# Altium PCB carrier_bak.PcbDoc (part 4 of 5)
Units mil, origin at the board's own origin, x right, y up, seen from the top; angles counter-clockwise.
Board outline 5511.81 x 3425.2 mil, 4 copper layers (Component Side, Power_layer1, Power_layer2, Solder Side), stack 65.912 mil thick; 375 components, 412 nets, 1874 pads, 645 vias.
Unrouted connection lines stored in the file: 33.
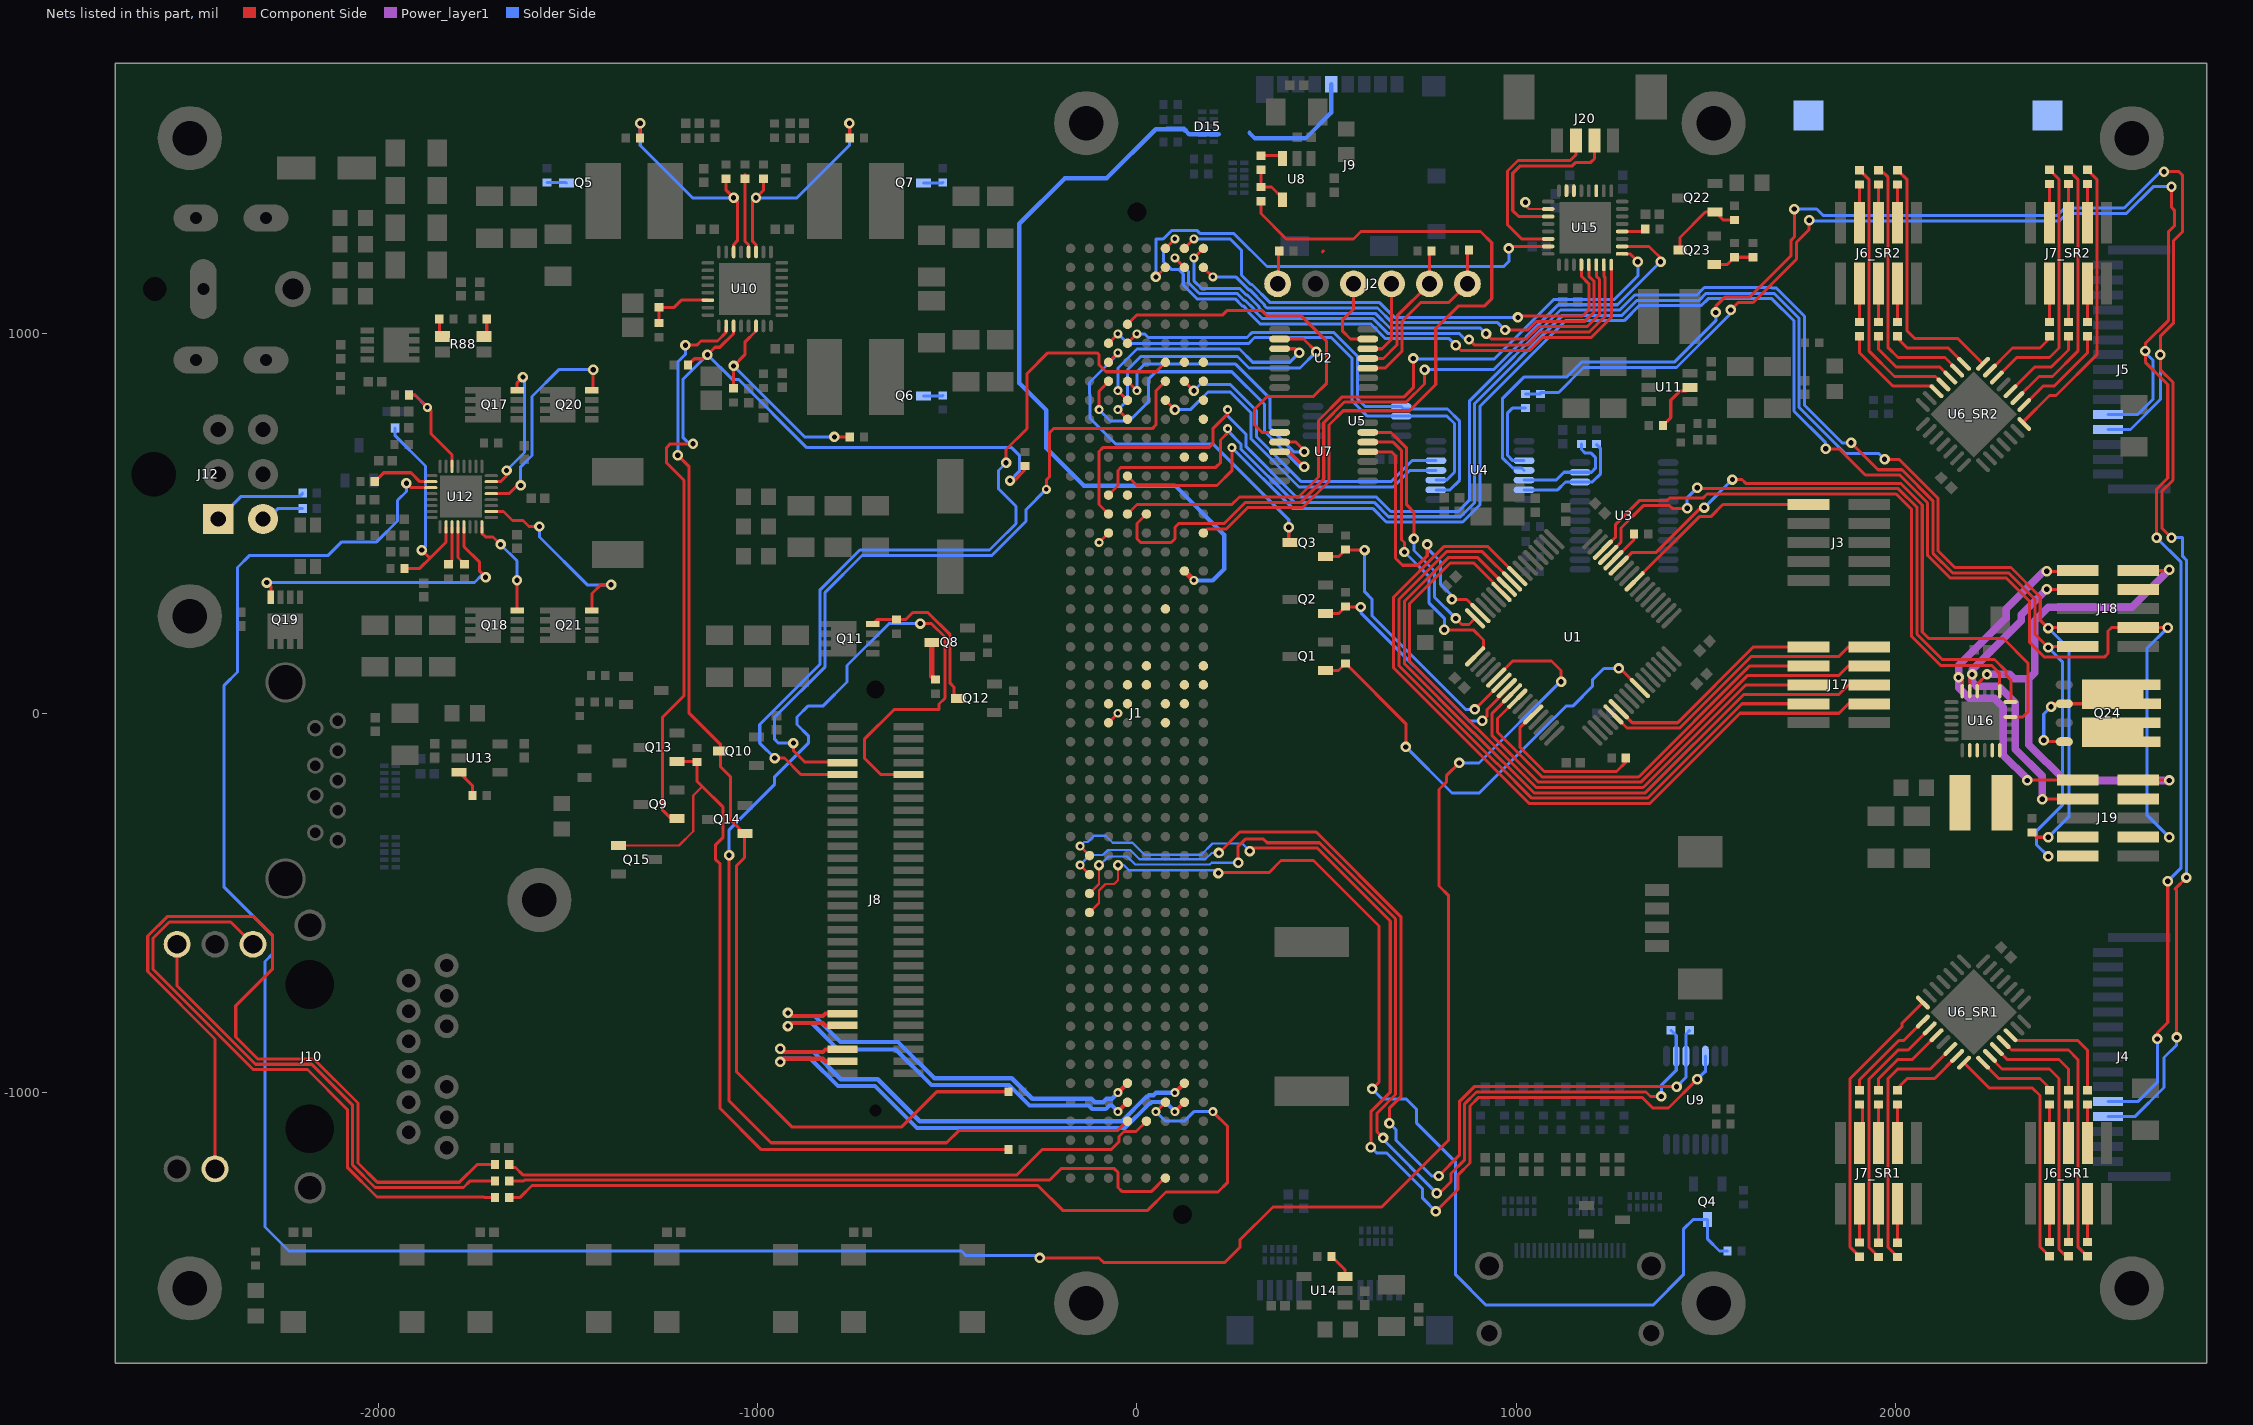
[diagram p6: the nets of this part, all layers, seen from the top]

## Via types
v1: diameter 27.56, hole 13.78, Component Side to Solder Side, 368 vias
v2: diameter 23.62, hole 11.81, Component Side to Solder Side, tented top, 99 vias
v3: diameter 27.56, hole 15.75, Component Side to Solder Side, 59 vias
v4: diameter 19.68, hole 7.87, Component Side to Solder Side, 54 vias
v5: diameter 27.56, hole 13.78, Component Side to Solder Side, tented top, 45 vias
v6: diameter 23.62, hole 11.81, Component Side to Solder Side, 10 vias
v7: diameter 19.68, hole 10, Component Side to Solder Side, 8 vias
v8: diameter 50, hole 28, Component Side to Solder Side, 2 vias

## Nets (pads, with @x,y where several pads share a name; then routed paths per layer and width w, separated by ;. In a path a pad name is that pad's centre, name@x,y a point inside that pad or via, vN(x,y) a via of type N, cw(c..) or ccw(c..) an arc to the next point about the centre after c; other vN are vias at no path point) (continued)
NetJ1_B33: J1.B33 U9.5 | length 2898.5
  Component Side w8: v2(-150,-350) J1.B33@-125,-375 ; v1(297.24,-363.19) 305.12,-355.32 475.11,-355.32 667.54,-547.74 667.54,-998.83 616.22,-1050.15 v1(616.22,-1143.62) ; v1(787.4,-1312.99) 846.46,-1253.94 846.46,-1216.54 877.54,-1185.45 877.54,-1035.09 900.38,-1012.25 1331.15,-1012.25 1359.25,-1040.35 1400.59,-1040.35 v1(1476.38,-964.57)
  Solder Side w6: v2(-150,-350) -139.22,-339.22 -129.57,-339.22 -113.39,-323.04 -82.47,-323.04 -63.98,-341.54 -11.49,-341.54 19.75,-372.78 169.54,-372.78 198.82,-343.5 277.56,-343.5 v1(297.24,-363.19)
  Solder Side w8: v1(616.22,-1143.62) 631.06,-1158.46 657.48,-1158.46 752.8,-1253.78 752.8,-1278.39 v1(787.4,-1312.99) ; v1(1476.38,-964.57) 1496.06,-944.88 1498.03,-944.88 U9.5@1498.03,-903.54
NetJ1_B34: J1.B34 R33.1 U9.3 | length 2760.9
  Component Side w8: v2(-150,-400) J1.B34@-125,-425 ; v1(216.04,-368.11) 271.16,-312.99 472.39,-312.99 695.54,-536.15 695.54,-1010.43 664.99,-1040.98 664.99,-1080.35 v1(665.35,-1080.71) ; v1(795.28,-1219.49) 849.54,-1165.22 849.54,-1023.49 888.78,-984.25 v1(1422.24,-984.25)
  Solder Side w6: v2(-150,-400) -123.78,-373.78 -90.15,-373.78 -76.61,-360.24 -17.72,-360.24 6.83,-384.78 180.18,-384.78 196.85,-368.11 v1(216.04,-368.11)
  Solder Side w8: v1(665.35,-1080.71) 683.07,-1098.43 683.07,-1125.98 776.57,-1219.49 v1(795.28,-1219.49) ; v1(1422.24,-984.25) 1446.85,-959.65 U9.3@1446.85,-903.54 1446.85,-845.47 R33.1@1456.69,-835.63
NetJ1_B35: J1.B35 R32.1 U9.2 | length 2835.8
  Component Side w6: J1.B35@-125,-475 -100,-450 v1(-100,-400)
  Component Side w8: v1(266.73,-393.7) 266.73,-350.39 285.43,-331.69 333.66,-331.69 343.28,-341.32 480.91,-341.32 681.54,-541.95 681.54,-1004.63 632.87,-1053.3 632.87,-1103.35 v1(648.62,-1119.09) ; v1(790.35,-1264.76) 797.24,-1264.76 827.54,-1234.47 827.54,-1212.71 863.54,-1176.7 863.54,-1029.29 894.58,-998.25 1341.54,-998.25 1353.13,-1009.84 v1(1381.89,-1009.84)
  Solder Side w6: v1(-100,-400) -97.99,-400 -75.21,-377.22 -26.32,-377.22 -4.76,-398.78 191.77,-398.78 196.85,-393.7 v1(266.73,-393.7)
  Solder Side w8: v1(648.62,-1119.09) 648.62,-1123.03 v1(790.35,-1264.76) ; v1(1381.89,-1009.84) 1381.89,-980.31 1421.26,-940.94 U9.2@1421.26,-903.54 1421.26,-849.41 R32.1@1407.48,-835.63
NetJ1_B36: J1.B36 Q4.D R28.1 | length 2983.2
  Component Side w6: J1.B36@-125,-525 -100,-500 -100,-466.97 -83.03,-450 -60,-450 -50,-440 v1(-50,-400)
  Component Side w8: v1(214.57,-421.26) 215.83,-420 347.72,-420 379.72,-388 465.11,-388 637.8,-560.68 637.8,-972.2 v1(620,-990)
  Solder Side w6: v1(-50,-400) -34.76,-400 -21.37,-413.39 206.69,-413.39 v1(214.57,-421.26)
  Solder Side w8: v1(620,-990) 646.73,-1016.73 709.65,-1016.73 737.2,-1044.29 737.2,-1080.28 840,-1183.07 840,-1480 920,-1560 1360,-1560 1440,-1480 1440,-1360 1465.35,-1334.65 Q4.D@1503.94,-1334.65 1503.94,-1385.83 1535.43,-1417.32 R28.1@1556.1,-1417.32
NetJ1_C6: J1.C6 U4.3 U5.6 | length 1283.9
  Component Side w8: J1.C6@-75,975 v2(-50,1000)
  Solder Side w8: v2(-50,1000) -25,975 295,975 310,990 512.13,990 567.09,935.05 567.09,915.35 566.71,914.97 566.71,823.29 607.2,782.8 U5.6@696.14,782.8 817.2,782.8 836.61,763.39 836.61,635.37 815.65,614.41 U4.3@787.86,614.41
NetJ1_C7: J1.C7 Q3.D | length 935.2
  Component Side w8: J1.C7@-75,925 v2(-50,950) ; v1(400,490) 400,452.76 Q3.D@402.76,450
  Solder Side w8: v2(-50,950) -50,946.57 -125,871.57 -125,841.37 -123.78,840.15 -123.78,777.44 -56.34,710 200,710 400,510 v1(400,490)
NetJ1_C8: J1.C8 U7.4 | length 954.4
  Component Side w8: v2(-100,800) -100,848.38 -75,873.38 J1.C8@-75,875 ; U7.4@375.98,688.98 401.57,688.98 v1(440.94,649.61)
  Solder Side w8: v2(-100,800) -70,770 -20,770 30,820 30,880 50,900 250,900 336,814 336,742.74 429.13,649.61 v1(440.94,649.61)
NetJ1_C16: J1.C16 | length 35.4
  Component Side w8: v2(-100,450) J1.C16@-75,475
NetJ1_C25: J1.C25
NetJ1_C26: J1.C26 | length 35.4
  Component Side w8: J1.C26@-75,-25 v2(-50,0)
NetJ1_D5: J1.D5 U7.2 | length 1018.3
  Component Side w8: J1.D5@-25,1025 0,1050 226.37,1050 238.18,1061.81 327.95,1061.81 342.52,1047.24 433.07,1047.24 500,980.32 500,870 464.65,834.65 343.23,834.65 310,801.42 310,760 329.84,740.16 U7.2@375.98,740.16
NetJ1_D6: J1.D6 U4.2 U5.5 | length 1287.2
  Component Side w8: J1.D6@-25,975 v2(0,1000)
  Solder Side w8: v2(0,1000) 20,1000 30,990 290.2,990 304.2,1004 517.93,1004 581.09,940.85 581.09,909.55 580.71,909.17 580.71,829.29 601.61,808.39 U5.5@696.14,808.39 702.87,801.65 818.15,801.65 850.61,769.18 850.61,614.39 825.04,588.82 U4.2@787.86,588.82
NetJ1_D8: J1.D8 U7.3 | length 759.2
  Component Side w8: J1.D8@-25,875 v2(0,850) ; U7.3@375.98,714.57 419.29,714.57 444.88,688.98 v1(440.94,688.98)
  Solder Side w8: v2(0,850) 0,900 20,920 260,920 350,830 350,752.36 413.39,688.98 v1(440.94,688.98)
NetJ1_D9: J1.D9 U2.3 | length 675.2
  Component Side w8: v2(-50,850) J1.D9@-25,825 ; U2.3@375.98,960.63 417.32,960.63 v1(427.95,950)
  Solder Side w8: v2(-50,850) -50,910 0,960 270,960 305,925 402.95,925 v1(427.95,950)
NetJ1_D10: J1.D10 U2.2 | length 803.1
  Component Side w8: v2(-50,800) J1.D10@-25,775 ; U2.2@375.98,986.22 438.78,986.22 v1(472.44,952.56)
  Solder Side w8: v2(-50,800) -25,825 -25,905 10,940 265.2,940 295.2,910 429.88,910 v1(472.44,952.56)
NetJ1_D14: J1.D14
NetJ1_D15: J1.D15 U15.9 | length 1825.7
  Component Side w8: J1.D15@-25,525 0,550 250,550 270,570 425.6,570 478.22,622.62 478.22,771.45 540.77,834 704.2,834 728.35,858.15 v1(728.35,935.04) ; U15.9@1278.54,1210.63 1299.37,1210.63 v1(1320,1190)
  Solder Side w8: v1(728.35,935.04) 729.61,933.78 941.65,933.78 1098.43,1090.55 1258.1,1090.55 1320,1152.45 v1(1320,1190)
NetJ1_D24: J1.D24
NetJ1_D25: J1.D25
NetJ1_D47: J1.D47 J8.10 | length 3371.2
  Component Side w8: v1(-1074.8,-374.02) -1074.8,-1021.65 -964.57,-1131.89 -501.89,-1131.89 -470,-1100 -51.62,-1100 -26.62,-1075 J1.D47@-25,-1075 ; J8.10@-602.36,-161.42 -675.2,-161.42 -718.5,-118.11 -718.5,-68.9 -639.76,9.84 -521.65,9.84 -521.65,24.24 -506.13,39.77 -506.13,200.89 -541.45,236.22 v1(-570.87,236.22)
  Solder Side w8: v1(-1074.8,-374.02) -1074.8,-307.09 -954.72,-187.01 -954.72,-167.32 -866.14,-78.74 -866.14,-59.06 -895.67,-29.53 -895.67,-9.84 -866.14,19.68 -826.77,19.68 -764,82.46 -764,125.8 -653.58,236.22 v1(-570.87,236.22)
NetJ1_E15: J1.E15 U15.10 | length 2031
  Component Side w8: J1.E15@25,525 0,500 0,460 10,450 90,450 100,460 100,490 110,500 230,500 286,556 431.4,556 492.22,616.82 492.22,765.65 546.57,820 710,820 757.87,867.87 v1(757.87,905.51) ; U15.10@1278.54,1230.32 1349.68,1230.32 1390,1190 v1(1380,1190)
  Solder Side w8: v1(757.87,905.51) 939.45,905.51 1110.49,1076.55 1266.55,1076.55 v1(1380,1190)
NetJ1_E23: J1.E23
NetJ1_E24: J1.E24
NetJ1_E47: J1.E47 R27.2 | length 1757.4
  Component Side w8: R27.2@-1654.53,-1188.98 -1646.65,-1196.85 -1637.8,-1196.85 -1618.33,-1216.31 -316.32,-1216.31 -250,-1150 -68.18,-1150 -47.5,-1129.32 -47.5,-1115.68 -34.32,-1102.5 -2.5,-1102.5 J1.E47@25,-1075
NetJ1_F1: J1.F1 U15.8 | length 1579
  Component Side w8: J1.F1@75,1225 v2(100,1250) ; v1(840,970) 854,956 1035.4,956 1070.11,990.71 1197.86,990.71 1250,1042.85 U15.8@1250,1182.09
  Solder Side w8: v2(100,1250) 70,1220 70,1190 90,1170 110.2,1170 122,1158.2 122,1128.4 158.4,1092 258.8,1092 277.02,1073.78 279.85,1073.78 293.78,1059.85 293.78,1057.02 324.91,1025.89 616.57,1025.89 655.15,987.31 822.69,987.31 v1(840,970)
NetJ1_F2: J1.F2 U15.31 | length 1259.2
  Component Side w8: v1(50,1150) J1.F2@75,1175 ; v1(980,1225) 985.32,1230.32 U15.31@1083.66,1230.32
  Solder Side w8: v1(50,1150) 50,1250 69.15,1250 90.97,1271.81 159.03,1271.81 166.85,1264 256,1264 342.68,1177.32 966.61,1177.32 980,1190.71 v1(980,1225)
NetJ1_F7: J1.F7 J8.9 | length 2191.1
  Component Side w8: v1(-954.72,-118.11) -929.13,-118.11 -885.83,-161.42 J8.9@-775.59,-161.42 ; v1(-345,660) -345,695 -290,750 -290,895 -235,950 -105,950 -100,945 -100,918.18 -81.82,900 50,900 J1.F7@75,925
  Solder Side w8: v1(-954.72,-118.11) -994.09,-78.74 -994.09,-29.53 -835.85,128.72 -835.85,324.35 -730.2,430 -388.44,430 -370,448.45 -318.9,499.55 -318.9,545.34 -365,591.44 -365,640 v1(-345,660)
NetJ1_F8: J1.F8 J8.7 | length 1938.9
  Component Side w8: v1(-905.51,-78.74) -905.51,-98.43 -875.98,-127.95 -777.56,-127.95 J8.7@-775.59,-129.92 ; v2(-239,590) -239,614.75 -230,623.75 -230,740 -220,750 40,750 50,760 50,850 J1.F8@75,875
  Solder Side w8: v1(-905.51,-78.74) -944.88,-78.74 -954.72,-68.9 -954.72,-9.96 -821.85,122.92 -821.85,318.55 -724.4,416 -382.65,416 -359.32,439.32 -292.59,506.06 -292.59,536.41 v2(-239,590)
NetJ1_F9: J1.F9 U4.4 | length 904.6
  Component Side w8: J1.F9@75,825 v1(100,800)
  Solder Side w8: v1(100,800) 140.55,800 187.01,846.46 245.95,846.46 300.96,791.45 300.96,722.55 427.27,596.24 675.09,596.24 718.85,640 U4.4@787.86,640
NetJ1_F20: J1.F20
NetJ1_F25: J1.F25
NetJ1_F26: J1.F26
NetJ1_F46: J1.F46 R36.1 | length 2372.4
  Component Side w8: R36.1@-1654.53,-1275.59 -1625.59,-1275.59 -1594.54,-1244.54 -261.37,-1244.54 -195.91,-1310 28.08,-1310 76.58,-1261.5 213.5,-1261.5 239,-1236 239,-1089 v2(200,-1050) ; v2(50,-1050) J1.F46@75,-1025
  Solder Side w8: v2(50,-1050) 75,-1075 125,-1075 150,-1050 v2(200,-1050)
NetJ1_F50: J1.F50 R37.2 | length 1805.2
  Component Side w8: R37.2@-1654.53,-1232.28 -1616.14,-1232.28 -1614.17,-1230.31 -230,-1230.31 -200,-1200.31 -59.68,-1200.31 -50,-1210 -50,-1249.84 -40,-1259.84 38.64,-1259.84 73.48,-1225 J1.F50@75,-1225
NetJ1_G1: J1.G1 U15.4 | length 1336
  Component Side w8: J1.G1@125,1225 v2(150,1250) ; v1(1003.94,1043.31) 1007.34,1046.71 1174.66,1046.71 1190.94,1062.99 1190.94,1131.89 1171.26,1151.57 U15.4@1171.26,1182.09
  Solder Side w8: v2(150,1250) 246.06,1250 275.59,1220.47 275.59,1154.41 300.22,1129.78 303.05,1129.78 350.94,1081.89 639.76,1081.89 678.35,1043.31 v1(1003.94,1043.31)
NetJ1_G2: J1.G2 U15.7 | length 1455.7
  Component Side w8: v2(100,1200) J1.G2@125,1175 ; v1(875,985) 890,970 1029.6,970 1064.31,1004.71 1192.06,1004.71 1232.94,1045.6 1232.94,1149.29 1230.32,1151.92 U15.7@1230.32,1182.09
  Solder Side w8: v2(100,1200) 136,1164 136,1134.2 164.2,1106 264.6,1106 282.82,1087.78 285.65,1087.78 307.78,1065.65 307.78,1062.82 330.71,1039.89 622.37,1039.89 660.95,1001.31 848.69,1001.31 870,980 v1(875,985)
NetJ1_G7: J1.G7
NetJ1_G8: J1.G8 U4.5 | length 849.2
  Component Side w8: J1.G8@125,875 v1(150,850)
  Solder Side w8: v1(150,850) 166.14,866.14 246.06,866.14 314.96,797.24 314.96,728.35 433.07,610.24 669.29,610.24 724.65,665.59 U4.5@787.86,665.59
NetJ1_G12: J1.G12
NetJ1_G24: J1.G24
NetJ1_G25: J1.G25
NetJ1_H1: J1.H1 U15.6 | length 1390.8
  Component Side w8: v2(150,1200) J1.H1@175,1225 ; v1(920,1000) 933.78,986.22 1026.02,986.22 1058.51,1018.71 1186.26,1018.71 1218.94,1051.39 1218.94,1143.49 1210.63,1151.8 U15.6@1210.63,1182.09
  Solder Side w8: v2(150,1200) 150,1140 170,1120 270.4,1120 288.62,1101.78 291.45,1101.78 321.78,1071.45 321.78,1068.62 336.51,1053.89 628.17,1053.89 666.75,1015.31 904.69,1015.31 v1(920,1000)
NetJ1_H2: J1.H2 U15.5 | length 1250.2
  Component Side w8: J1.H2@175,1175 v2(200,1150) ; v1(970,1010) 1030,1010 1052.71,1032.71 1180.46,1032.71 1204.94,1057.19 1204.94,1137.69 1190.94,1151.69 U15.5@1190.94,1182.09
  Solder Side w8: v2(200,1150) 260.2,1150 294.42,1115.78 297.25,1115.78 335.78,1077.25 335.78,1074.42 342.31,1067.89 633.96,1067.89 672.55,1029.31 950.69,1029.31 v1(970,1010)
NetJ1_H7: J1.H7
NetJ1_H8: J1.H8
NetJ1_H9: J1.H9
NetJ1_H10: J1.H10
NetJ1_H12: J1.H12
NetJ1_H16: J1.H16 R23.1 | length 2026
  Component Side w8: J1.H16@175,475 186,486 235.8,486 291.8,542 437.2,542 506.22,611.02 506.22,759.85 543.61,797.24 718.5,797.24 787.4,866.14 787.4,1013.78 846.46,1072.83 915.35,1072.83 935.04,1092.52 935.04,1240.16 905.51,1269.68 590.55,1269.68 570.87,1250 393.7,1250 326.77,1316.93 R23.1@326.77,1349.41
NetJ1_H23: J1.H23
NetJ1_H24: J1.H24
NetJ2_1: J2.1 R3.1 | length 87.6
  Component Side w8: J2.1@372.68,1131.89 R3.1@372.68,1216.18 ; 488.98,1216.18 491.3,1218.5
NetJ2_3: J2.3 U2.13 | length 212.1
  Component Side w8: J2.3@570.87,1131.89 570.87,1064.96 541.34,1035.43 541.34,1007.87 562.99,986.22 U2.13@608.27,986.22
NetJ2_4: J2.4 U2.12 | length 219.1
  Component Side w8: U2.12@608.27,960.63 645.67,960.63 670.87,985.83 J2.4@670.87,1131.89
NetJ2_5: J2.5 R2.1 U2.11 | length 377.4
  Component Side w8: U2.11@608.27,935.04 649.61,935.04 684.87,970.3 684.87,1045.89 J2.5@770.87,1131.89 770.87,1212.8 R2.1@776.57,1218.5
NetJ2_6: J2.6 R1.1 U2.10 | length 491.2
  Component Side w8: U2.10@608.27,909.45 653.54,909.45 698.87,954.77 698.87,1033.51 747.24,1081.89 820.87,1081.89 J2.6@870.87,1131.89 870.87,1216.34 R1.1@875,1220.47
NetJ4_11: J4.11 J5.11 R20.2 R21.1 | length 4893
  Component Side w8: v1(1564.96,1062.99) 1584.65,1082.68 1623.9,1082.68 1737.97,1196.74 1737.97,1240.99 1771.65,1274.68 v1(1771.65,1299.21) ; v1(2687.01,462.6) 2687.01,590.55 2716.54,620.08 2716.54,866.14 2657.48,925.2 v1(2657.48,954.72) 2657.48,974.18 2718,1034.7 2718,1268.2 2734,1284.2 2734,1325.8 2726.38,1333.42 v1(2726.38,1387.8) ; v1(2688.98,-858.27) 2688.98,-842.52 2716.54,-814.96 v1(2716.54,-442.91)
  Solder Side w8: R21.1@1023.62,841.54 R20.2@1062.99,841.54 ; R20.2@1062.99,845.47 1111.33,845.47 1177.06,911.2 1422,911.2 1573.8,1062.99 v1(1564.96,1062.99) ; v1(1771.65,1299.21) 1773.18,1297.68 2431.18,1297.68 2450.87,1317.37 2607.57,1317.37 2678,1387.8 v1(2726.38,1387.8) ; J4.11@2559.06,-1023.62 2637.8,-1023.62 2688.98,-972.44 v1(2688.98,-858.27) ; J5.11@2559.06,787.4 2637.68,787.4 2677.17,826.89 2677.17,930.94 2657.48,950.62 v1(2657.48,954.72) ; v1(2687.01,462.6) 2751.97,397.64 2751.97,-407.48 v1(2716.54,-442.91)
NetJ4_12: J4.12 J5.12 U4.11 | length 5369.1
  Component Side w8: v1(1525.59,1056.29) 1525.59,1072.83 1549.43,1096.68 1614.17,1096.68 1723.97,1206.47 1723.97,1246.79 1732.28,1255.11 v1(1732.28,1328.74) ; v1(2706.69,1427.17) 2746.06,1427.17 2755.91,1417.32 2755.91,1269.68 2732,1245.78 2732,1028.9 2696.85,993.75 v1(2696.85,944.88) 2696.85,905.63 2730.54,871.94 2730.54,614.28 2701.01,584.75 2701.01,487.97 v1(2726.38,462.6) ; v1(2740.16,-854.33) 2740.16,-466.54 2736.22,-462.6 v1(2765.75,-433.07)
  Solder Side w8: U4.11@1020.14,640 1013.41,646.73 989.44,646.73 962.83,673.34 962.83,828.98 1019.69,885.83 1131.89,885.83 1171.26,925.2 1416.2,925.2 1525.59,1034.59 v1(1525.59,1056.29) ; v1(1732.28,1328.74) 1791.34,1328.74 1808.39,1311.68 2425.38,1311.68 2445.07,1331.37 2601.77,1331.37 2697.57,1427.17 v1(2706.69,1427.17) ; J4.12@2559.06,-1062.99 2629.92,-1062.99 2706.69,-986.22 2706.69,-907.48 2740.16,-874.02 v1(2740.16,-854.33) ; J5.12@2559.06,748.03 2618.11,748.03 2696.85,826.77 v1(2696.85,944.88) ; v1(2726.38,462.6) 2755.91,462.6 2755.91,413.5 2765.97,403.44 2765.97,-413.28 2765.75,-413.5 v1(2765.75,-433.07)
NetJ10_13: J10.13 R27.1 | length 2319
  Component Side w8: J10.13@-2429.53,-1200.79 -2429.53,-858.22 -2606.94,-680.8 -2606.94,-587.15 -2555.8,-536 -2328.29,-536 -2277.78,-586.51 -2277.78,-673.33 -2375,-770.56 -2375,-853.35 -2317.35,-911 -2169.2,-911 -2052.93,-1027.27 -2052.93,-1185.15 -2002.08,-1236 -1786,-1236 -1738.98,-1188.98 R27.1@-1691.93,-1188.98
NetJ10_15: J10.15 R36.2 | length 1626.8
  Component Side w8: J10.15@-2329.53,-608.79 -2388.31,-550 -2550,-550 -2592.94,-592.94 -2592.94,-675 -2328.94,-939 -2186,-939 -2080.93,-1044.07 -2080.93,-1196.74 -2002.67,-1275 -1720.47,-1275 -1719.88,-1275.59 R36.2@-1691.93,-1275.59
NetJ10_17: J10.17 R37.1 | length 1269.1
  Component Side w8: J10.17@-2529.53,-608.79 -2529.53,-718.62 -2323.15,-925 -2175,-925 -2066.93,-1033.07 -2066.93,-1190.94 -2007.87,-1250 -1775,-1250 -1757.28,-1232.28 R37.1@-1691.93,-1232.28 ; R37.1@-1693.7,-1230.31 R37.1@-1691.93,-1230.31
NetJ12_1: J12.1 R84.2 | length 250.8
  Solder Side w8: J12.1@-2421.26,511.81 -2362.2,570.87 -2207.83,570.87 R84.2@-2198.7,580
NetJ12_4: J12.4 R83.2 | length 116.1
  Solder Side w8: J12.4@-2303.15,511.81 -2291.34,511.81 -2263.15,540 R83.2@-2198.7,540
NetJ17_3: J17.3 U1.8 | length 2111.2
  Component Side w8: U1.8@1002.45,361.47 923.92,440 810,440 676.5,306.5 676.5,119.3 1033.55,-237.75 1351.45,-237.75 1589.2,0 1850,0 1875,25 J17.3@1930,25
NetJ17_4: J17.4 U1.9 | length 1884.9
  Component Side w8: U1.9@988.53,347.55 910.08,426 816,426 690.5,300.5 690.5,125.1 947.51,-131.91 948.68,-131.91 1040.52,-223.75 1345.65,-223.75 1594.4,25 J17.4@1770,25
NetJ17_5: J17.5 U1.10 | length 1997.7
  Component Side w8: U1.10@974.62,333.63 898.24,410 820,410 704.5,294.5 704.5,130.9 886.54,-51.14 887.71,-51.14 1046.32,-209.75 1339.85,-209.75 1599.6,50 1850,50 1875,75 J17.5@1930,75
NetJ17_6: J17.6 U1.11 | length 1773.5
  Component Side w8: U1.11@960.7,319.71 960.7,322.93 887.63,396 825.8,396 718.5,288.7 718.5,136.7 892.34,-37.14 893.51,-37.14 1052.12,-195.75 1334.05,-195.75 1604.8,75 J17.6@1770,75
NetJ17_7: J17.7 U1.24 | length 1305.3
  Component Side w8: U1.24@988.53,52.45 936,-0.08 936,-59.33 1058.42,-181.75 1328.05,-181.75 1609.8,100 1850,100 1875,125 J17.7@1930,125
NetJ17_8: J17.8 U1.25 | length 1100.3
  Component Side w8: U1.25@1002.45,38.53 950,-13.92 950,-50 1067.75,-167.75 1322.25,-167.75 1615,125 J17.8@1770,125
NetJ17_9: J17.9 U1.37 | length 777.7
  Component Side w8: U1.37@1255.79,-3.22 1291.56,-39 1430.8,-39 1619.8,150 1850,150 1875,175 J17.9@1930,175
NetJ17_10: J17.10 U1.38 | length 597.9
  Component Side w8: U1.38@1269.71,10.7 1305.4,-25 1425,-25 1625,175 J17.10@1770,175
NetJ18_7: J18.7 Q24.B1 Q24.B2 Q24.C1 | length 328.2
  Component Side w8: v1(2389.76,-70.87) 2393.9,-75 Q24.B2@2443.9,-75 ; v1(2409.15,17.42) 2416.73,25 Q24.B1@2443.9,25 2546.65,25 Q24.C1@2571.65,50
  Solder Side w8: v1(2389.76,-70.87) 2389.76,-1.97 v1(2409.15,17.42)
NetJ18_8: J18.8 J19.8 U16.17 | length 968.7
  Component Side w8: U16.17@2194.88,58.07 2194.88,96.46 v1(2200.79,102.36) ; v1(2385.83,-226.77) 2387.01,-225.59 J19.8@2479.06,-225.59 ; v1(2397.64,326.77) 2398.82,325.59 J18.8@2479.06,325.59